# KiCad board WS2812B LED Ring7.kicad_pcb (continued)
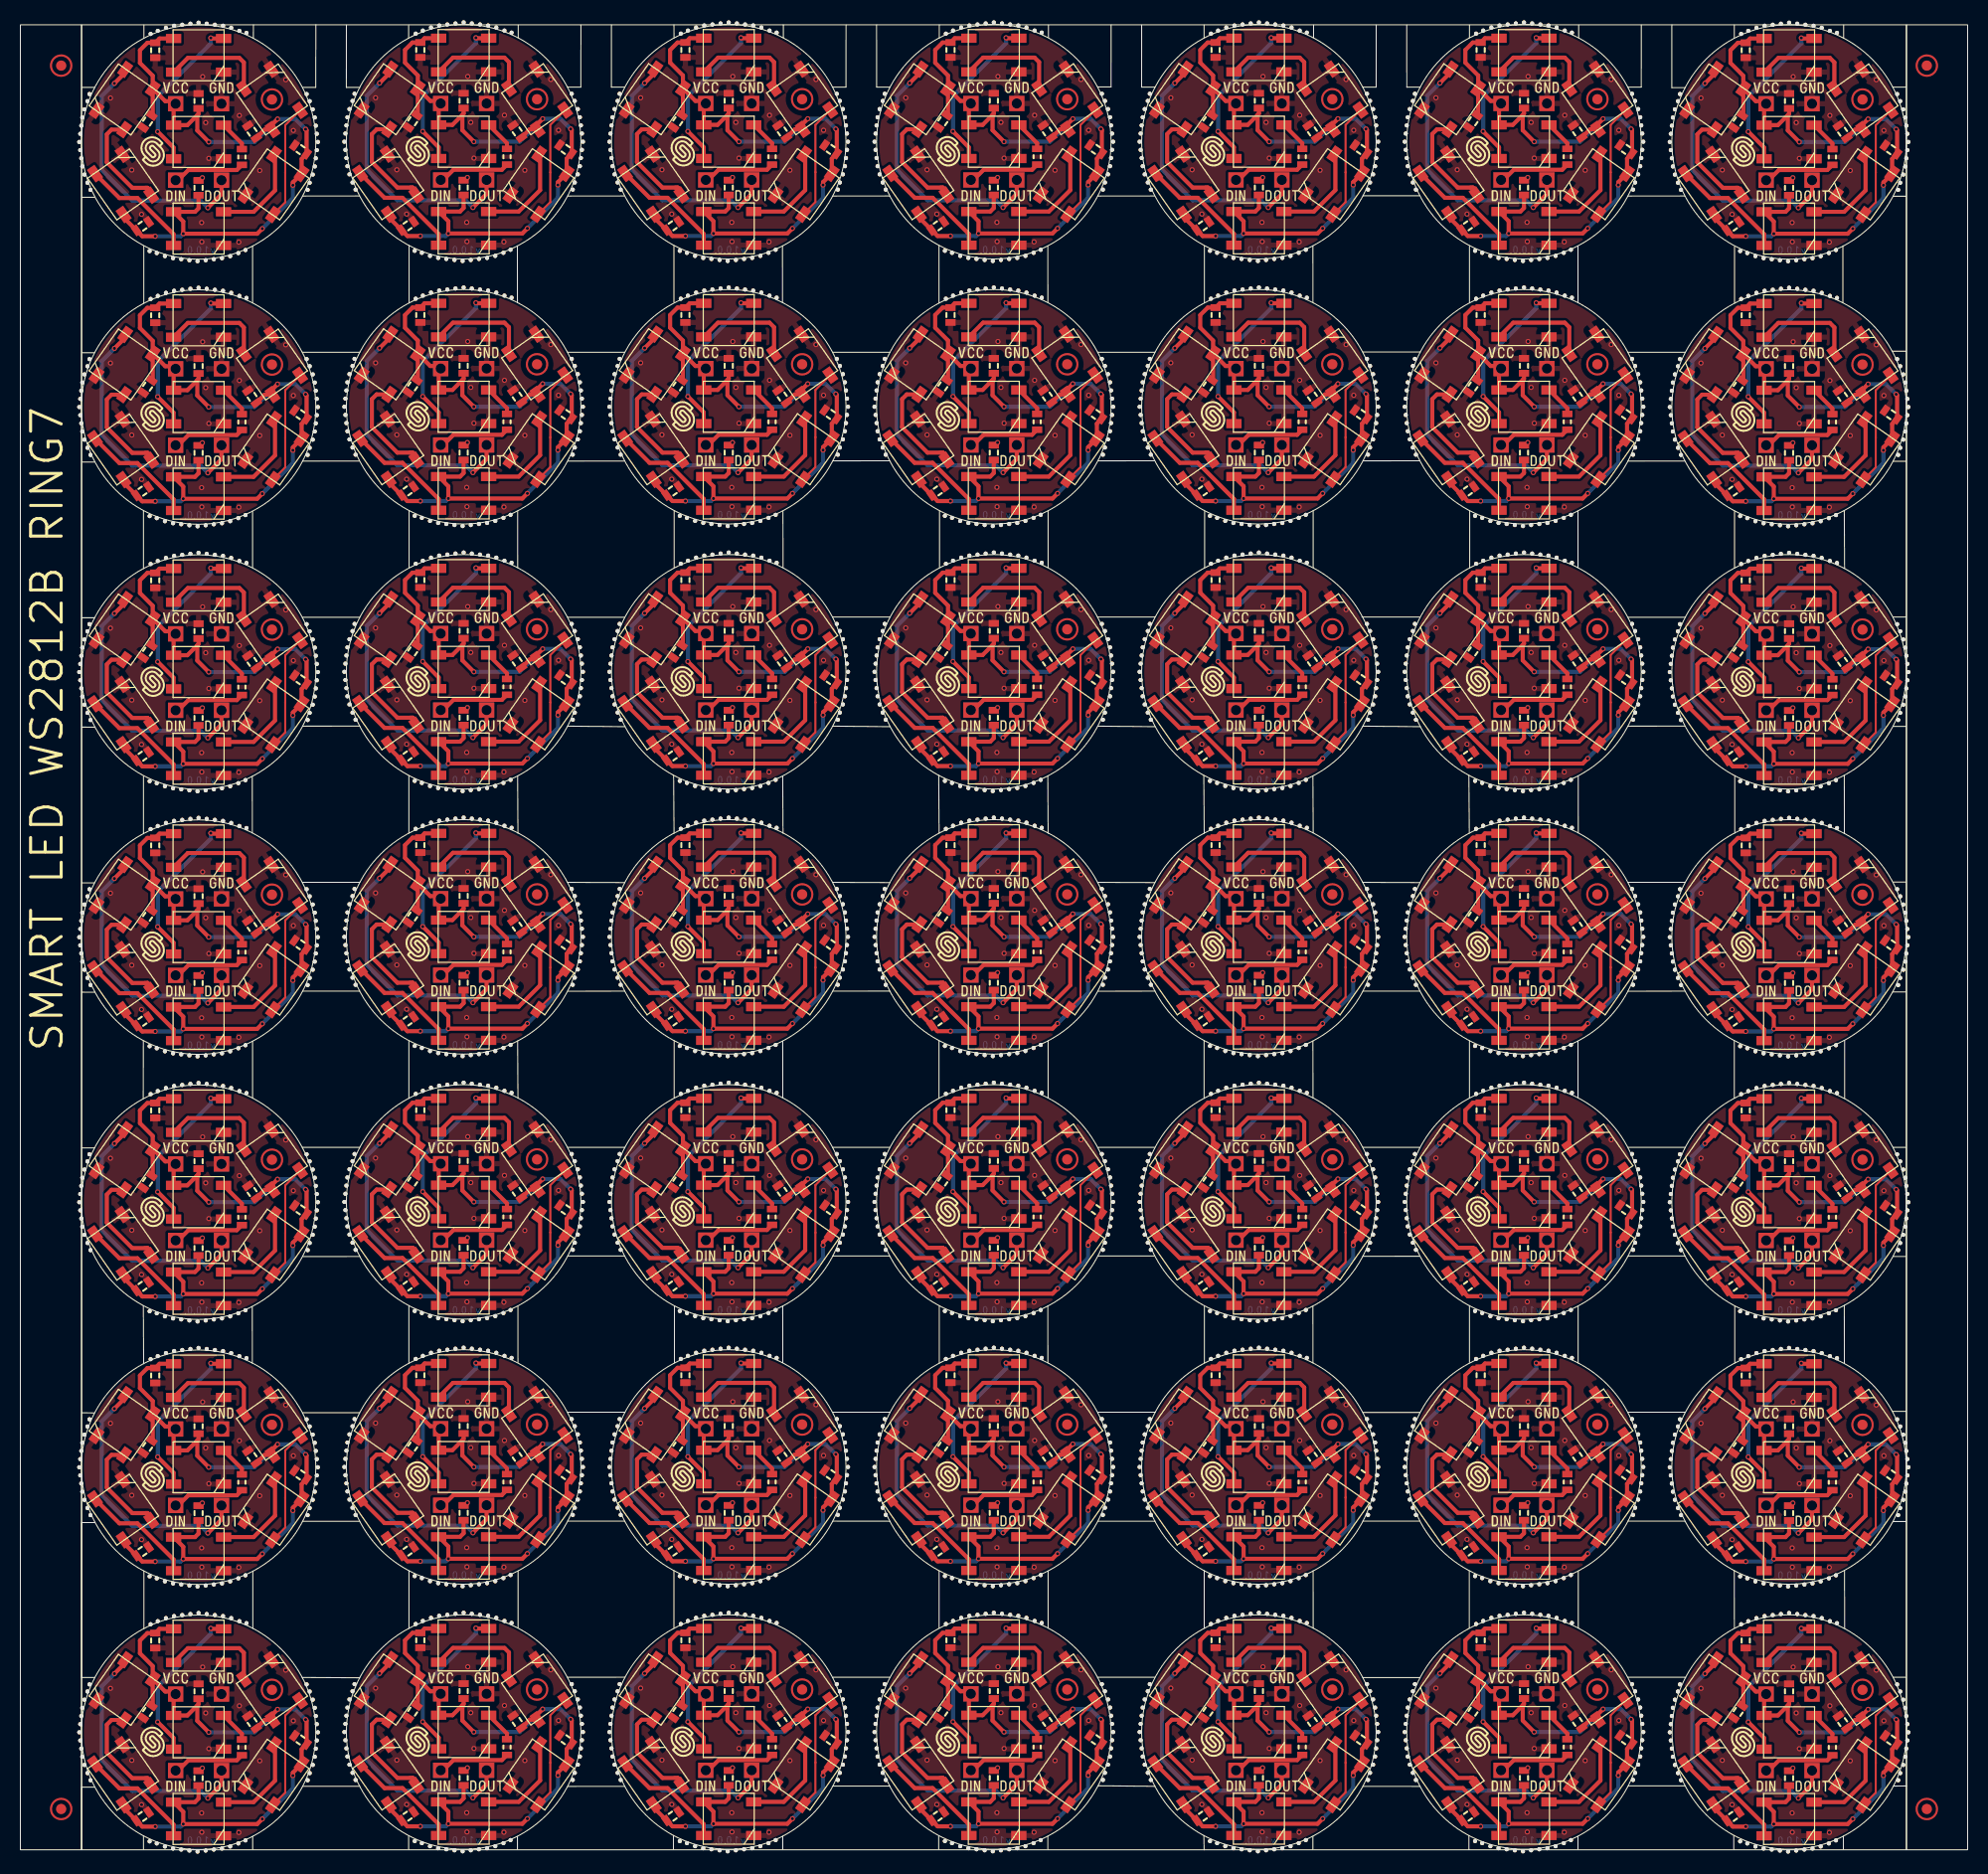
[diagram p0: board, top side]
## Placement (name value [footprint] x y rotation side) (continued)
REF**#1176  -  [HOLE_0.5mm]  110.78 146.26 180 top
REF**#1177  -  [HOLE_0.5mm]  136.28 164.36 180 top
REF**#1178  -  [HOLE_0.5mm]  32.08 139.16 180 top
REF**#1179  -  [HOLE_0.5mm]  150.57 78.36 270 top
REF**#1180  -  [HOLE_0.5mm]  133.07 142.36 0 top
REF**#1181  -  [HOLE_0.5mm]  6.08 39.94 180 top
REF**#1182  -  [HOLE_0.5mm]  28.88 117.94 0 top
REF**#1183  -  [HOLE_0.5mm]  135.88 12.36 180 top
REF**#1184  Logo-Front-SolderedFULL-15mm  [Logo-Back-SolderedFULL-15mm]  147.91 141.82 0 top
REF**#1185  -  [HOLE_0.5mm]  68.68 101.16 90 top
REF**#1186  -  [HOLE_0.5mm]  174.97 0.03 270 top
REF**#1187  -  [HOLE_0.5mm]  65.38 0.66 270 top
REF**#1188  -  [HOLE_0.5mm]  93.78 78.06 270 top
REF**#1189  -  [HOLE_0.5mm]  158.18 84.86 0 top
REF**#1190  -  [HOLE_0.5mm]  136.07 165.16 180 top
REF**#1191  -  [HOLE_0.5mm]  66.97 52.16 270 top
REF**#1192  -  [HOLE_0.5mm]  46.58 52.36 270 top
REF**#1193  -  [HOLE_0.5mm]  110.07 117.96 180 top
REF**#1194  -  [HOLE_0.5mm]  110.57 119.56 180 top
REF**#1195  -  [HOLE_0.5mm]  84.28 60.36 180 top
REF**#1196  -  [HOLE_0.5mm]  106.88 143.96 0 top
REF**#1197  -  [HOLE_0.5mm]  150.57 104.36 270 top
REF**#1198  Logo-Front-SolderedFULL-15mm  [Logo-Back-SolderedFULL-15mm]  95.91 167.82 0 top
REF**#1199  -  [HOLE_0.5mm]  64.78 48.16 90 top
REF**#1200  -  [HOLE_0.5mm]  20.58 78.33 270 top
REF**#1201  -  [HOLE_0.5mm]  184.97 65.13 0 top
REF**#1202  -  [HOLE_0.5mm]  148.97 0.06 270 top
REF**#1203  -  [HOLE_0.5mm]  110.57 171.56 180 top
REF**#1204  -  [HOLE_0.5mm]  29.08 166.73 0 top
REF**#1205  -  [HOLE_0.5mm]  169.47 178.44 90 top
REF**#1206  -  [HOLE_0.5mm]  32.28 92.76 180 top
REF**#1207  -  [HOLE_0.5mm]  43.38 155.86 270 top
REF**#1208  -  [HOLE_0.5mm]  119.88 127.06 90 top
REF**#1209  -  [HOLE_0.5mm]  81.07 10.76 0 top
REF**#1210  -  [HOLE_0.5mm]  6.08 35.13 180 top
REF**#1211  -  [HOLE_0.5mm]  57.97 139.96 180 top
REF**#1212  -  [HOLE_0.5mm]  162.28 170.73 180 top
REF**#1213  -  [HOLE_0.5mm]  31.97 13.16 180 top
REF**#1214  -  [HOLE_0.5mm]  98.68 178.76 90 top
REF**#1215  -  [HOLE_0.5mm]  185.07 36.73 0 top
REF**#1216  -  [HOLE_0.5mm]  122.28 23.16 90 top
REF**#1217  -  [HOLE_0.5mm]  6.08 87.13 180 top
REF**#1218  -  [HOLE_0.5mm]  132.97 143.16 0 top
REF**#1219  -  [HOLE_0.5mm]  135.97 139.96 180 top
REF**#1220  -  [HOLE_0.5mm]  120.57 129.96 270 top
REF**#1221  -  [HOLE_0.5mm]  184.07 42.23 0 top
REF**#1222  -  [HOLE_0.5mm]  94.57 155.96 270 top
REF**#1223  -  [HOLE_0.5mm]  184.68 14.73 0 top
REF**#1224  -  [HOLE_0.5mm]  184.97 143.13 0 top
REF**#1225  -  [HOLE_0.5mm]  126.18 48.26 90 top
REF**#1226  -  [HOLE_0.5mm]  132.88 9.16 0 top
REF**#1227  -  [HOLE_0.5mm]  126.18 178.26 90 top
REF**#1228  -  [HOLE_0.5mm]  174.97 78.03 270 top
REF**#1229  -  [HOLE_0.5mm]  119.07 22.96 90 top
REF**#1230  -  [HOLE_0.5mm]  84.57 41.56 180 top
REF**#1231  -  [HOLE_0.5mm]  32.58 137.56 180 top
REF**#1232  -  [HOLE_0.5mm]  99.38 0.66 270 top
REF**#1233  -  [HOLE_0.5mm]  125.38 156.66 270 top
REF**#1234  -  [HOLE_0.5mm]  81.07 62.76 0 top
REF**#1235  -  [HOLE_0.5mm]  28.17 162.83 0 top
REF**#1236  -  [HOLE_0.5mm]  45.08 75.06 90 top
REF**#1237  -  [HOLE_0.5mm]  6.28 112.33 180 top
REF**#1238  -  [HOLE_0.5mm]  58.78 42.26 180 top
REF**#1239  -  [HOLE_0.5mm]  149.07 23.06 90 top
REF**#1240  -  [HOLE_0.5mm]  96.28 127.16 90 top
REF**#1241  Logo-Front-SolderedFULL-15mm  [Logo-Back-SolderedFULL-15mm]  17.91 89.79 0 top
REF**#1242  -  [HOLE_0.5mm]  19.88 22.94 90 top
REF**#1243  -  [HOLE_0.5mm]  123.88 74.96 90 top
REF**#1244  -  [HOLE_0.5mm]  96.18 25.96 270 top
REF**#1245  -  [HOLE_0.5mm]  90.78 74.16 90 top
REF**#1246  -  [HOLE_0.5mm]  148.18 25.96 270 top
REF**#1247  -  [HOLE_0.5mm]  147.47 23.26 90 top
REF**#1248  -  [HOLE_0.5mm]  120.57 51.96 270 top
REF**#1249  -  [HOLE_0.5mm]  40.97 26.16 270 top
REF**#1250  -  [HOLE_0.5mm]  161.78 167.53 180 top
REF**#1251  -  [HOLE_0.5mm]  80.38 33.56 0 top
REF**#1252  -  [HOLE_0.5mm]  161.88 168.33 180 top
REF**#1253  -  [HOLE_0.5mm]  116.78 48.16 90 top
REF**#1254  -  [HOLE_0.5mm]  116.68 26.86 270 top
REF**#1255  -  [HOLE_0.5mm]  16.58 129.94 270 top
REF**#1256  -  [HOLE_0.5mm]  54.88 169.96 0 top
REF**#1257  -  [HOLE_0.5mm]  159.07 10.76 0 top
REF**#1258  Logo-Front-SolderedFULL-15mm  [Logo-Back-SolderedFULL-15mm]  147.91 115.82 0 top
REF**#1259  -  [HOLE_0.5mm]  95.38 103.86 270 top
REF**#1260  -  [HOLE_0.5mm]  158.07 68.26 0 top
REF**#1261  -  [HOLE_0.5mm]  58.58 33.56 180 top
REF**#1262  -  [HOLE_0.5mm]  6.08 91.94 180 top
REF**#1263  -  [HOLE_0.5mm]  71.07 153.06 90 top
REF**#1264  -  [HOLE_0.5mm]  6.08 143.94 180 top
REF**#1265  -  [HOLE_0.5mm]  142.78 152.16 90 top
REF**#1266  -  [HOLE_0.5mm]  71.88 48.96 90 top
REF**#1267  -  [HOLE_0.5mm]  6.28 40.73 180 top
REF**#1268  -  [HOLE_0.5mm]  97.07 49.06 90 top
REF**#1269  -  [HOLE_0.5mm]  144.97 156.16 270 top
REF**#1270  -  [HOLE_0.5mm]  95.38 77.86 270 top
REF**#1271  -  [HOLE_0.5mm]  106.18 84.86 0 top
REF**#1272  -  [HOLE_0.5mm]  84.07 113.16 180 top
REF**#1273  -  [HOLE_0.5mm]  97.88 22.96 90 top
REF**#1274  -  [HOLE_0.5mm]  32.78 120.26 180 top
REF**#1275  -  [HOLE_0.5mm]  146.68 75.16 90 top
REF**#1276  -  [HOLE_0.5mm]  132.68 14.76 0 top
REF**#1277  -  [HOLE_0.5mm]  171.78 104.03 270 top
REF**#1278  -  [HOLE_0.5mm]  147.47 49.26 90 top
REF**#1279  -  [HOLE_0.5mm]  31.78 115.56 180 top
REF**#1280  -  [HOLE_0.5mm]  54.88 39.96 0 top
REF**#1281  -  [HOLE_0.5mm]  73.47 152.46 90 top
REF**#1282  -  [HOLE_0.5mm]  158.07 42.26 0 top
REF**#1283  -  [HOLE_0.5mm]  145.07 126.96 90 top
REF**#1284  -  [HOLE_0.5mm]  136.78 42.26 180 top
REF**#1285  -  [HOLE_0.5mm]  132.97 35.96 0 top
REF**#1286  -  [HOLE_0.5mm]  177.47 48.44 90 top
REF**#1287  -  [HOLE_0.5mm]  64.68 78.86 270 top
REF**#1288  -  [HOLE_0.5mm]  148.18 155.96 270 top
REF**#1289  -  [HOLE_0.5mm]  158.68 112.36 0 top
REF**#1290  -  [HOLE_0.5mm]  15.78 26.03 270 top
REF**#1291  -  [HOLE_0.5mm]  175.78 156.13 270 top
REF**#1292  -  [HOLE_0.5mm]  161.97 35.94 180 top
REF**#1293  -  [HOLE_0.5mm]  58.78 16.26 180 top
REF**#1294  -  [HOLE_0.5mm]  124.68 178.76 90 top
REF**#1295  -  [HOLE_0.5mm]  83.88 114.76 180 top
REF**#1296  -  [HOLE_0.5mm]  18.28 153.13 90 top
REF**#1297  -  [HOLE_0.5mm]  117.38 0.66 270 top
REF**#1298  -  [HOLE_0.5mm]  106.68 14.76 0 top
REF**#1299  -  [HOLE_0.5mm]  84.78 120.26 180 top
REF**#1300  -  [HOLE_0.5mm]  5.78 37.53 180 top
REF**#1301  -  [HOLE_0.5mm]  32.78 172.26 180 top
REF**#1302  -  [HOLE_0.5mm]  5.97 91.13 180 top
REF**#1303  -  [HOLE_0.5mm]  12.67 52.83 270 top
REF**#1304  -  [HOLE_0.5mm]  132.68 144.76 0 top
REF**#1305  -  [HOLE_0.5mm]  84.88 136.86 180 top
REF**#1306  -  [HOLE_0.5mm]  81.07 12.36 0 top
REF**#1307  -  [HOLE_0.5mm]  84.28 112.36 180 top
REF**#1308  -  [HOLE_0.5mm]  18.17 25.94 270 top
REF**#1309  -  [HOLE_0.5mm]  120.68 75.16 90 top
REF**#1310  -  [HOLE_0.5mm]  45.88 48.96 90 top
REF**#1311  -  [HOLE_0.5mm]  12.67 156.83 270 top
REF**#1312  -  [HOLE_0.5mm]  106.88 87.16 0 top
REF**#1313  -  [HOLE_0.5mm]  116.68 130.86 270 top
REF**#1314  -  [HOLE_0.5mm]  123.07 153.06 90 top
REF**#1315  -  [HOLE_0.5mm]  136.28 92.76 180 top
REF**#1316  -  [HOLE_0.5mm]  100.07 52.96 270 top
REF**#1317  -  [HOLE_0.5mm]  184.38 119.53 0 top
REF**#1318  -  [HOLE_0.5mm]  184.07 94.23 0 top
REF**#1319  -  [HOLE_0.5mm]  116.78 126.16 90 top
REF**#1320  -  [HOLE_0.5mm]  125.47 126.46 90 top
REF**#1321  HOLE_0.5mm  [HOLE_0.5mm#2]  161.88 38.36 180 top
REF**#1322  -  [HOLE_0.5mm]  15.88 75.03 90 top
REF**#1323  -  [HOLE_0.5mm]  57.78 115.56 180 top
REF**#1324  -  [HOLE_0.5mm]  145.07 152.96 90 top
REF**#1325  -  [HOLE_0.5mm]  158.68 170.76 0 top
REF**#1326  -  [HOLE_0.5mm]  80.68 34.36 0 top
REF**#1327  -  [HOLE_0.5mm]  162.88 58.83 180 top
REF**#1328  -  [HOLE_0.5mm]  151.47 48.46 90 top
REF**#1329  -  [HOLE_0.5mm]  84.57 85.56 180 top
REF**#1330  -  [HOLE_0.5mm]  58.78 120.26 180 top
REF**#1331  -  [HOLE_0.5mm]  136.07 91.96 180 top
REF**#1332  -  [HOLE_0.5mm]  41.08 22.96 90 top
REF**#1333  -  [HOLE_0.5mm]  84.07 87.16 180 top
REF**#1334  -  [HOLE_0.5mm]  95.47 49.26 90 top
REF**#1335  -  [HOLE_0.5mm]  47.47 152.46 90 top
REF**#1336  -  [HOLE_0.5mm]  84.57 163.56 180 top
REF**#1337  -  [HOLE_0.5mm]  28.97 87.94 0 top
REF**#1338  -  [HOLE_0.5mm]  5.97 169.13 180 top
REF**#1339  -  [HOLE_0.5mm]  29.08 12.33 0 top
REF**#1340  -  [HOLE_0.5mm]  12.78 152.13 90 top
REF**#1341  -  [HOLE_0.5mm]  184.68 86.33 0 top
REF**#1342  -  [HOLE_0.5mm]  132.88 39.96 0 top
REF**#1343  -  [HOLE_0.5mm]  109.97 117.16 180 top
REF**#1344  -  [HOLE_0.5mm]  29.08 116.33 0 top
REF**#1345  -  [HOLE_0.5mm]  126.18 126.26 90 top
REF**#1346  -  [HOLE_0.5mm]  46.58 0.36 270 top
REF**#1347  -  [HOLE_0.5mm]  90.68 26.86 270 top
REF**#1348  -  [HOLE_0.5mm]  54.67 92.76 0 top
REF**#1349  -  [HOLE_0.5mm]  58.58 119.56 180 top
REF**#1350  -  [HOLE_0.5mm]  21.47 48.44 90 top
REF**#1351  -  [HOLE_0.5mm]  90.78 152.16 90 top
REF**#1352  -  [HOLE_0.5mm]  28.17 110.83 0 top
REF**#1353  -  [HOLE_0.5mm]  84.88 84.86 180 top
REF**#1354  -  [HOLE_0.5mm]  133.07 140.76 0 top
REF**#1355  -  [HOLE_0.5mm]  151.47 126.46 90 top
REF**#1356  -  [HOLE_0.5mm]  162.57 59.53 180 top
REF**#1357  -  [HOLE_0.5mm]  94.68 127.16 90 top
REF**#1358  -  [HOLE_0.5mm]  162.07 165.13 180 top
REF**#1359  -  [HOLE_0.5mm]  106.07 16.26 0 top
REF**#1360  -  [HOLE_0.5mm]  58.08 91.96 180 top
REF**#1361  Logo-Front-SolderedFULL-15mm  [Logo-Back-SolderedFULL-15mm]  43.91 115.82 0 top
REF**#1362  -  [HOLE_0.5mm]  107.07 168.36 0 top
REF**#1363  -  [HOLE_0.5mm]  84.07 165.16 180 top
REF**#1364  -  [HOLE_0.5mm]  170.18 78.33 270 top
REF**#1365  -  [HOLE_0.5mm]  125.38 104.66 270 top
REF**#1366  -  [HOLE_0.5mm]  136.07 13.96 180 top
REF**#1367  -  [HOLE_0.5mm]  123.78 52.16 270 top
REF**#1368  -  [HOLE_0.5mm]  44.28 75.16 90 top
REF**#1369  -  [HOLE_0.5mm]  109.97 143.16 180 top
REF**#1370  -  [HOLE_0.5mm]  117.38 52.66 270 top
REF**#1371  -  [HOLE_0.5mm]  118.18 0.36 270 top
REF**#1372  -  [HOLE_0.5mm]  90.68 0.86 270 top
REF**#1373  -  [HOLE_0.5mm]  144.18 104.36 270 top
REF**#1374  -  [HOLE_0.5mm]  106.68 92.76 0 top
REF**#1375  -  [HOLE_0.5mm]  106.18 58.86 0 top
REF**#1376  -  [HOLE_0.5mm]  109.78 141.56 180 top
REF**#1377  -  [HOLE_0.5mm]  175.88 74.94 90 top
REF**#1378  -  [HOLE_0.5mm]  54.88 9.16 0 top
REF**#1379  -  [HOLE_0.5mm]  158.88 113.16 0 top
REF**#1380  -  [HOLE_0.5mm]  177.38 78.63 270 top
REF**#1381  -  [HOLE_0.5mm]  132.68 8.36 0 top
REF**#1382  -  [HOLE_0.5mm]  184.97 139.94 0 top
REF**#1383  -  [HOLE_0.5mm]  116.78 22.16 90 top
REF**#1384  -  [HOLE_0.5mm]  32.58 7.56 180 top
REF**#1385  -  [HOLE_0.5mm]  80.68 92.76 0 top
REF**#1386  -  [HOLE_0.5mm]  28.38 137.53 0 top
REF**#1387  -  [HOLE_0.5mm]  31.78 63.56 180 top
REF**#1388  -  [HOLE_0.5mm]  175.88 100.94 90 top
REF**#1389  -  [HOLE_0.5mm]  84.07 61.16 180 top
REF**#1390  -  [HOLE_0.5mm]  159.18 89.56 0 top
REF**#1391  -  [HOLE_0.5mm]  28.67 66.73 0 top
REF**#1392  -  [HOLE_0.5mm]  109.97 113.96 180 top
REF**#1393  -  [HOLE_0.5mm]  80.38 59.56 0 top
REF**#1394  -  [HOLE_0.5mm]  161.78 115.53 180 top
REF**#1395  -  [HOLE_0.5mm]  176.68 48.73 90 top
REF**#1396  -  [HOLE_0.5mm]  14.97 52.13 270 top
REF**#1397  -  [HOLE_0.5mm]  98.68 74.76 90 top
REF**#1398  -  [HOLE_0.5mm]  152.18 48.26 90 top
REF**#1399  -  [HOLE_0.5mm]  21.38 26.63 270 top
REF**#1400  -  [HOLE_0.5mm]  149.07 49.06 90 top
REF**#1401  -  [HOLE_0.5mm]  39.38 104.66 270 top
REF**#1402  -  [HOLE_0.5mm]  66.28 178.76 90 top
REF**#1403  -  [HOLE_0.5mm]  150.57 0.36 270 top
REF**#1404  -  [HOLE_0.5mm]  147.38 -0.14 270 top
REF**#1405  -  [HOLE_0.5mm]  146.68 127.16 90 top
REF**#1406  -  [HOLE_0.5mm]  162.28 164.33 180 top
REF**#1407  -  [HOLE_0.5mm]  74.07 52.96 270 top
REF**#1408  -  [HOLE_0.5mm]  28.97 39.13 0 top
REF**#1409  -  [HOLE_0.5mm]  57.88 62.76 180 top
REF**#1410  -  [HOLE_0.5mm]  54.88 35.16 0 top
REF**#1411  -  [HOLE_0.5mm]  145.07 100.96 90 top
REF**#1412  -  [HOLE_0.5mm]  147.38 51.86 270 top
REF**#1413  -  [HOLE_0.5mm]  136.07 9.16 180 top
REF**#1414  -  [HOLE_0.5mm]  125.47 48.46 90 top
REF**#1415  -  [HOLE_0.5mm]  121.47 127.26 90 top
REF**#1416  -  [HOLE_0.5mm]  132.68 164.36 0 top
REF**#1417  -  [HOLE_0.5mm]  142.68 0.86 270 top
REF**#1418  Logo-Front-SolderedFULL-15mm  [Logo-Back-SolderedFULL-15mm]  147.91 167.82 0 top
REF**#1419  -  [HOLE_0.5mm]  15.88 153.03 90 top
REF**#1420  -  [HOLE_0.5mm]  44.17 103.96 270 top
REF**#1421  -  [HOLE_0.5mm]  109.88 142.36 180 top
REF**#1422  -  [HOLE_0.5mm]  106.68 112.36 0 top
REF**#1423  -  [HOLE_0.5mm]  121.38 25.86 270 top
REF**#1424  -  [HOLE_0.5mm]  169.38 78.63 270 top
REF**#1425  -  [HOLE_0.5mm]  32.58 67.56 180 top
REF**#1426  -  [HOLE_0.5mm]  81.18 89.56 0 top
REF**#1427  -  [HOLE_0.5mm]  121.38 155.86 270 top
REF**#1428  -  [HOLE_0.5mm]  106.97 87.96 0 top
REF**#1429  -  [HOLE_0.5mm]  5.88 114.73 180 top
REF**#1430  -  [HOLE_0.5mm]  83.78 167.56 180 top
REF**#1431  -  [HOLE_0.5mm]  18.28 49.13 90 top
REF**#1432  -  [HOLE_0.5mm]  44.17 -0.04 270 top
REF**#1433  -  [HOLE_0.5mm]  54.38 7.56 0 top
REF**#1434  -  [HOLE_0.5mm]  162.78 16.23 180 top
REF**#1435  -  [HOLE_0.5mm]  158.97 165.96 0 top
REF**#1436  -  [HOLE_0.5mm]  171.88 153.03 90 top
REF**#1437  -  [HOLE_0.5mm]  178.07 130.94 270 top
REF**#1438  -  [HOLE_0.5mm]  57.97 39.16 180 top
REF**#1439  -  [HOLE_0.5mm]  6.28 170.73 180 top
REF**#1440  -  [HOLE_0.5mm]  67.88 101.06 90 top
REF**#1441  -  [HOLE_0.5mm]  84.78 94.26 180 top
REF**#1442  -  [HOLE_0.5mm]  45.08 179.06 90 top
REF**#1443  -  [HOLE_0.5mm]  71.78 130.16 270 top
REF**#1444  -  [HOLE_0.5mm]  32.78 68.26 180 top
REF**#1445  -  [HOLE_0.5mm]  6.28 118.73 180 top
REF**#1446  -  [HOLE_0.5mm]  122.97 26.06 270 top
REF**#1447  -  [HOLE_0.5mm]  136.07 169.96 180 top
REF**#1448  -  [HOLE_0.5mm]  174.18 103.94 270 top
REF**#1449  -  [HOLE_0.5mm]  136.78 172.26 180 top
REF**#1450  -  [HOLE_0.5mm]  31.88 142.36 180 top
REF**#1451  -  [HOLE_0.5mm]  18.97 26.03 270 top
REF**#1452  -  [HOLE_0.5mm]  84.78 16.26 180 top
REF**#1453  -  [HOLE_0.5mm]  81.18 115.56 0 top
REF**#1454  -  [HOLE_0.5mm]  81.07 166.76 0 top
REF**#1455  -  [HOLE_0.5mm]  136.78 120.26 180 top
REF**#1456  -  [HOLE_0.5mm]  39.38 26.66 270 top
REF**#1457  -  [HOLE_0.5mm]  107.18 115.56 0 top
REF**#1458  -  [HOLE_0.5mm]  132.88 113.16 0 top
REF**#1459  -  [HOLE_0.5mm]  116.78 178.16 90 top
REF**#1460  -  [HOLE_0.5mm]  5.97 39.13 180 top
REF**#1461  -  [HOLE_0.5mm]  177.38 130.63 270 top
REF**#1462  -  [HOLE_0.5mm]  132.88 165.16 0 top
REF**#1463  -  [HOLE_0.5mm]  80.18 32.86 0 top
REF**#1464  -  [HOLE_0.5mm]  73.38 52.66 270 top
REF**#1465  -  [HOLE_0.5mm]  184.18 162.83 0 top
REF**#1466  -  [HOLE_0.5mm]  19.88 178.94 90 top
REF**#1467  -  [HOLE_0.5mm]  28.08 16.23 0 top
REF**#1468  -  [HOLE_0.5mm]  106.07 68.26 0 top
REF**#1469  -  [HOLE_0.5mm]  136.07 61.16 180 top
REF**#1470  -  [HOLE_0.5mm]  20.67 126.73 90 top
REF**#1471  -  [HOLE_0.5mm]  64.78 100.16 90 top
REF**#1472  -  [HOLE_0.5mm]  28.97 35.94 0 top
REF**#1473  -  [HOLE_0.5mm]  81.07 36.76 0 top
REF**#1474  -  [HOLE_0.5mm]  132.97 139.96 0 top
REF**#1475  -  [HOLE_0.5mm]  14.17 156.33 270 top
REF**#1476  -  [HOLE_0.5mm]  117.47 152.46 90 top
REF**#1477  -  [HOLE_0.5mm]  74.18 178.26 90 top
REF**#1478  -  [HOLE_0.5mm]  170.97 156.13 270 top
REF**#1479  -  [HOLE_0.5mm]  132.88 61.16 0 top
REF**#1480  -  [HOLE_0.5mm]  58.08 169.96 180 top
REF**#1481  -  [HOLE_0.5mm]  110.07 87.16 180 top
REF**#1482  -  [HOLE_0.5mm]  17.47 101.23 90 top
REF**#1483  -  [HOLE_0.5mm]  169.47 100.44 90 top
REF**#1484  -  [HOLE_0.5mm]  44.97 130.06 270 top
REF**#1485  -  [HOLE_0.5mm]  132.18 6.86 0 top
REF**#1486  -  [HOLE_0.5mm]  122.18 129.96 270 top
REF**#1487  -  [HOLE_0.5mm]  38.78 100.16 90 top
REF**#1488  -  [HOLE_0.5mm]  66.28 100.76 90 top
REF**#1489  -  [HOLE_0.5mm]  96.97 0.06 270 top
REF**#1490  -  [HOLE_0.5mm]  71.88 22.96 90 top
REF**#1491  -  [HOLE_0.5mm]  84.28 40.76 180 top
REF**#1492  -  [HOLE_0.5mm]  29.17 11.53 0 top
REF**#1493  -  [HOLE_0.5mm]  162.07 65.94 180 top
REF**#1494  -  [HOLE_0.5mm]  110.78 172.26 180 top
REF**#1495  -  [HOLE_0.5mm]  135.78 11.56 180 top
REF**#1496  -  [HOLE_0.5mm]  109.88 38.36 180 top
REF**#1497  -  [HOLE_0.5mm]  109.78 37.56 180 top
REF**#1498  -  [HOLE_0.5mm]  64.68 156.86 270 top
REF**#1499  -  [HOLE_0.5mm]  73.38 78.66 270 top
REF**#1500  -  [HOLE_0.5mm]  184.07 68.23 0 top
REF**#1501  -  [HOLE_0.5mm]  123.88 100.96 90 top
REF**#1502  -  [HOLE_0.5mm]  31.97 165.96 180 top
REF**#1503  -  [HOLE_0.5mm]  178.07 26.94 270 top
REF**#1504  -  [HOLE_0.5mm]  5.97 9.94 180 top
REF**#1505  -  [HOLE_0.5mm]  184.68 164.33 0 top
REF**#1506  -  [HOLE_0.5mm]  107.07 114.76 0 top
REF**#1507  -  [HOLE_0.5mm]  172.57 77.94 270 top
REF**#1508  -  [HOLE_0.5mm]  110.88 162.86 180 top
REF**#1509  -  [HOLE_0.5mm]  28.97 139.94 0 top
REF**#1510  -  [HOLE_0.5mm]  147.47 75.26 90 top
REF**#1511  -  [HOLE_0.5mm]  28.17 136.83 0 top
REF**#1512  -  [HOLE_0.5mm]  162.57 7.53 180 top
REF**#1513  -  [HOLE_0.5mm]  106.38 171.56 0 top
REF**#1514  -  [HOLE_0.5mm]  57.88 114.76 180 top
REF**#1515  Logo-Front-SolderedFULL-15mm  [Logo-Back-SolderedFULL-15mm]  43.91 11.82 0 top
REF**#1516  -  [HOLE_0.5mm]  159.18 11.56 0 top
REF**#1517  -  [HOLE_0.5mm]  54.97 39.16 0 top
REF**#1518  -  [HOLE_0.5mm]  121.38 77.86 270 top
REF**#1519  -  [HOLE_0.5mm]  80.07 16.26 0 top
REF**#1520  -  [HOLE_0.5mm]  43.38 -0.14 270 top
REF**#1521  -  [HOLE_0.5mm]  29.08 90.33 0 top
REF**#1522  -  [HOLE_0.5mm]  110.28 170.76 180 top
REF**#1523  -  [HOLE_0.5mm]  80.18 6.86 0 top
REF**#1524  -  [HOLE_0.5mm]  28.67 118.73 0 top
REF**#1525  -  [HOLE_0.5mm]  45.88 126.96 90 top
REF**#1526  -  [HOLE_0.5mm]  57.78 37.56 180 top
REF**#1527  -  [HOLE_0.5mm]  58.08 61.16 180 top
REF**#1528  -  [HOLE_0.5mm]  47.47 126.46 90 top
REF**#1529  -  [HOLE_0.5mm]  32.08 113.16 180 top
REF**#1530  -  [HOLE_0.5mm]  184.97 165.94 0 top
REF**#1531  -  [HOLE_0.5mm]  28.38 111.53 0 top
REF**#1532  -  [HOLE_0.5mm]  147.47 179.26 90 top
REF**#1533  -  [HOLE_0.5mm]  71.07 179.06 90 top
REF**#1534  -  [HOLE_0.5mm]  158.38 85.56 0 top
REF**#1535  -  [HOLE_0.5mm]  54.88 65.96 0 top
REF**#1536  -  [HOLE_0.5mm]  17.38 51.83 270 top
REF**#1537  -  [HOLE_0.5mm]  42.58 129.96 270 top
REF**#1538  -  [HOLE_0.5mm]  92.97 0.16 270 top
REF**#1539  -  [HOLE_0.5mm]  48.17 126.26 90 top
REF**#1540  -  [HOLE_0.5mm]  122.97 156.06 270 top
REF**#1541  -  [HOLE_0.5mm]  45.88 22.96 90 top
REF**#1542  -  [HOLE_0.5mm]  74.07 78.96 270 top
REF**#1543  -  [HOLE_0.5mm]  96.18 77.96 270 top
REF**#1544  -  [HOLE_0.5mm]  162.07 91.94 180 top
REF**#1545  -  [HOLE_0.5mm]  170.18 156.33 270 top
REF**#1546  -  [HOLE_0.5mm]  71.07 127.06 90 top
REF**#1547  -  [HOLE_0.5mm]  68.57 77.96 270 top
REF**#1548  -  [HOLE_0.5mm]  158.07 94.26 0 top
REF**#1549  -  [HOLE_0.5mm]  22.17 100.23 90 top
REF**#1550  -  [HOLE_0.5mm]  45.88 152.96 90 top
REF**#1551  -  [HOLE_0.5mm]  80.38 171.56 0 top
REF**#1552  -  [HOLE_0.5mm]  5.88 64.33 180 top
REF**#1553  -  [HOLE_0.5mm]  58.08 35.16 180 top
REF**#1554  -  [HOLE_0.5mm]  149.78 130.16 270 top
REF**#1555  -  [HOLE_0.5mm]  143.38 52.66 270 top
REF**#1556  -  [HOLE_0.5mm]  93.88 75.06 90 top
REF**#1557  -  [HOLE_0.5mm]  28.97 91.13 0 top
REF**#1558  -  [HOLE_0.5mm]  66.97 130.16 270 top
REF**#1559  -  [HOLE_0.5mm]  92.97 78.16 270 top
REF**#1560  -  [HOLE_0.5mm]  171.07 126.94 90 top
REF**#1561  -  [HOLE_0.5mm]  174.97 52.03 270 top
REF**#1562  -  [HOLE_0.5mm]  31.88 88.76 180 top
REF**#1563  -  [HOLE_0.5mm]  43.47 127.26 90 top
REF**#1564  -  [HOLE_0.5mm]  174.28 127.13 90 top
REF**#1565  -  [HOLE_0.5mm]  54.67 144.76 0 top
REF**#1566  -  [HOLE_0.5mm]  136.07 113.16 180 top
REF**#1567  -  [HOLE_0.5mm]  92.18 104.36 270 top
REF**#1568  Logo-Front-SolderedFULL-15mm  [Logo-Back-SolderedFULL-15mm]  147.91 37.82 0 top
REF**#1569  -  [HOLE_0.5mm]  80.88 9.16 0 top
REF**#1570  -  [HOLE_0.5mm]  84.78 68.26 180 top
REF**#1571  -  [HOLE_0.5mm]  109.78 11.56 180 top
REF**#1572  -  [HOLE_0.5mm]  172.68 23.13 90 top
REF**#1573  -  [HOLE_0.5mm]  159.07 88.76 0 top
REF**#1574  -  [HOLE_0.5mm]  69.38 51.86 270 top
REF**#1575  -  [HOLE_0.5mm]  93.88 49.06 90 top
REF**#1576  -  [HOLE_0.5mm]  99.47 126.46 90 top
REF**#1577  -  [HOLE_0.5mm]  6.88 58.83 180 top
REF**#1578  -  [HOLE_0.5mm]  117.47 48.46 90 top
REF**#1579  -  [HOLE_0.5mm]  171.07 178.94 90 top
REF**#1580  -  [HOLE_0.5mm]  14.28 22.73 90 top
REF**#1581  -  [HOLE_0.5mm]  57.88 90.36 180 top
REF**#1582  -  [HOLE_0.5mm]  81.18 63.56 0 top
REF**#1583  -  [HOLE_0.5mm]  67.07 22.96 90 top
REF**#1584  -  [HOLE_0.5mm]  28.38 163.53 0 top
REF**#1585  -  [HOLE_0.5mm]  80.97 9.96 0 top
REF**#1586  -  [HOLE_0.5mm]  15.88 23.03 90 top
REF**#1587  -  [HOLE_0.5mm]  32.78 146.26 180 top
REF**#1588  -  [HOLE_0.5mm]  81.07 114.76 0 top
REF**#1589  -  [HOLE_0.5mm]  97.07 153.06 90 top
REF**#1590  -  [HOLE_0.5mm]  98.68 152.76 90 top
REF**#1591  -  [HOLE_0.5mm]  54.97 113.96 0 top
REF**#1592  -  [HOLE_0.5mm]  57.97 91.16 180 top
REF**#1593  -  [HOLE_0.5mm]  118.18 130.36 270 top
REF**#1594  -  [HOLE_0.5mm]  45.08 23.06 90 top
REF**#1595  -  [HOLE_0.5mm]  159.07 62.76 0 top
REF**#1596  -  [HOLE_0.5mm]  43.47 49.26 90 top
REF**#1597  -  [HOLE_0.5mm]  171.78 130.03 270 top
REF**#1598  -  [HOLE_0.5mm]  148.28 101.16 90 top
REF**#1599  -  [HOLE_0.5mm]  92.97 130.16 270 top
REF**#1600  -  [HOLE_0.5mm]  91.38 156.66 270 top
REF**#1601  Logo-Front-SolderedFULL-15mm  [Logo-Back-SolderedFULL-15mm]  121.91 167.82 0 top
REF**#1602  -  [HOLE_0.5mm]  176.57 0.33 270 top
REF**#1603  -  [HOLE_0.5mm]  135.78 63.56 180 top
REF**#1604  -  [HOLE_0.5mm]  95.38 25.86 270 top
REF**#1605  -  [HOLE_0.5mm]  135.88 62.76 180 top
REF**#1606  -  [HOLE_0.5mm]  6.88 84.83 180 top
REF**#1607  -  [HOLE_0.5mm]  109.88 36.76 180 top
REF**#1608  -  [HOLE_0.5mm]  69.38 129.86 270 top
REF**#1609  -  [HOLE_0.5mm]  93.88 153.06 90 top
REF**#1610  -  [HOLE_0.5mm]  12.78 74.13 90 top
REF**#1611  -  [HOLE_0.5mm]  146.68 101.16 90 top
REF**#1612  -  [HOLE_0.5mm]  6.08 61.13 180 top
REF**#1613  -  [HOLE_0.5mm]  175.78 26.13 270 top
REF**#1614  -  [HOLE_0.5mm]  100.18 48.26 90 top
REF**#1615  -  [HOLE_0.5mm]  95.38 155.86 270 top
REF**#1616  -  [HOLE_0.5mm]  110.88 84.86 180 top
REF**#1617  -  [HOLE_0.5mm]  83.97 165.96 180 top
REF**#1618  -  [HOLE_0.5mm]  161.97 165.94 180 top
REF**#1619  -  [HOLE_0.5mm]  169.47 48.44 90 top
REF**#1620  -  [HOLE_0.5mm]  74.18 152.26 90 top
REF**#1621  -  [HOLE_0.5mm]  70.28 23.16 90 top
REF**#1622  -  [HOLE_0.5mm]  83.88 12.36 180 top
REF**#1623  -  [HOLE_0.5mm]  43.38 77.86 270 top
REF**#1624  -  [HOLE_0.5mm]  121.47 23.26 90 top
REF**#1625  -  [HOLE_0.5mm]  96.28 23.16 90 top
REF**#1626  -  [HOLE_0.5mm]  109.78 115.56 180 top
REF**#1627  -  [HOLE_0.5mm]  109.88 12.36 180 top
REF**#1628  -  [HOLE_0.5mm]  106.07 42.26 0 top
REF**#1629  -  [HOLE_0.5mm]  5.97 165.94 180 top
REF**#1630  -  [HOLE_0.5mm]  69.38 25.86 270 top
REF**#1631  -  [HOLE_0.5mm]  55.08 36.76 0 top
REF**#1632  -  [HOLE_0.5mm]  121.38 -0.14 270 top
REF**#1633  -  [HOLE_0.5mm]  172.57 103.94 270 top
REF**#1634  -  [HOLE_0.5mm]  6.58 119.53 180 top
REF**#1635  -  [HOLE_0.5mm]  41.88 153.06 90 top
REF**#1636  -  [HOLE_0.5mm]  92.28 126.76 90 top
REF**#1637  -  [HOLE_0.5mm]  122.97 130.06 270 top
REF**#1638  -  [HOLE_0.5mm]  69.47 101.26 90 top
REF**#1639  -  [HOLE_0.5mm]  18.17 129.94 270 top
REF**#1640  -  [HOLE_0.5mm]  93.07 48.96 90 top
REF**#1641  -  [HOLE_0.5mm]  83.97 39.16 180 top
REF**#1642  -  [HOLE_0.5mm]  5.78 141.53 180 top
REF**#1643  -  [HOLE_0.5mm]  148.18 103.96 270 top
REF**#1644  -  [HOLE_0.5mm]  46.58 104.36 270 top
REF**#1645  -  [HOLE_0.5mm]  133.18 11.56 0 top
REF**#1646  -  [HOLE_0.5mm]  40.97 78.16 270 top
REF**#1647  -  [HOLE_0.5mm]  21.38 104.63 270 top
REF**#1648  -  [HOLE_0.5mm]  107.07 116.36 0 top
REF**#1649  -  [HOLE_0.5mm]  120.57 25.96 270 top
REF**#1650  -  [HOLE_0.5mm]  110.07 91.96 180 top
REF**#1651  -  [HOLE_0.5mm]  90.68 156.86 270 top
REF**#1652  -  [HOLE_0.5mm]  54.38 119.56 0 top
REF**#1653  -  [HOLE_0.5mm]  143.38 26.66 270 top
REF**#1654  -  [HOLE_0.5mm]  175.88 126.94 90 top
REF**#1655  -  [HOLE_0.5mm]  81.07 64.36 0 top
REF**#1656  -  [HOLE_0.5mm]  13.38 156.63 270 top
REF**#1657  -  [HOLE_0.5mm]  142.78 100.16 90 top
REF**#1658  -  [HOLE_0.5mm]  170.18 26.33 270 top
REF**#1659  -  [HOLE_0.5mm]  41.08 100.96 90 top
REF**#1660  -  [HOLE_0.5mm]  19.08 127.03 90 top
REF**#1661  -  [HOLE_0.5mm]  6.28 60.33 180 top
REF**#1662  -  [HOLE_0.5mm]  41.88 127.06 90 top
REF**#1663  -  [HOLE_0.5mm]  162.57 163.53 180 top
REF**#1664  -  [HOLE_0.5mm]  97.07 23.06 90 top
REF**#1665  -  [HOLE_0.5mm]  44.17 25.96 270 top
REF**#1666  -  [HOLE_0.5mm]  133.07 166.76 0 top
REF**#1667  -  [HOLE_0.5mm]  132.38 15.56 0 top
REF**#1668  -  [HOLE_0.5mm]  97.78 78.16 270 top
REF**#1669  -  [HOLE_0.5mm]  158.68 138.36 0 top
REF**#1670  -  [HOLE_0.5mm]  70.97 0.06 270 top
REF**#1671  -  [HOLE_0.5mm]  151.47 74.46 90 top
REF**#1672  -  [HOLE_0.5mm]  174.18 129.94 270 top
REF**#1673  -  [HOLE_0.5mm]  106.68 170.76 0 top
REF**#1674  -  [HOLE_0.5mm]  149.78 52.16 270 top